# Altium PCB Luchador Pcb.PcbDoc (part 2 of 4) (continued)
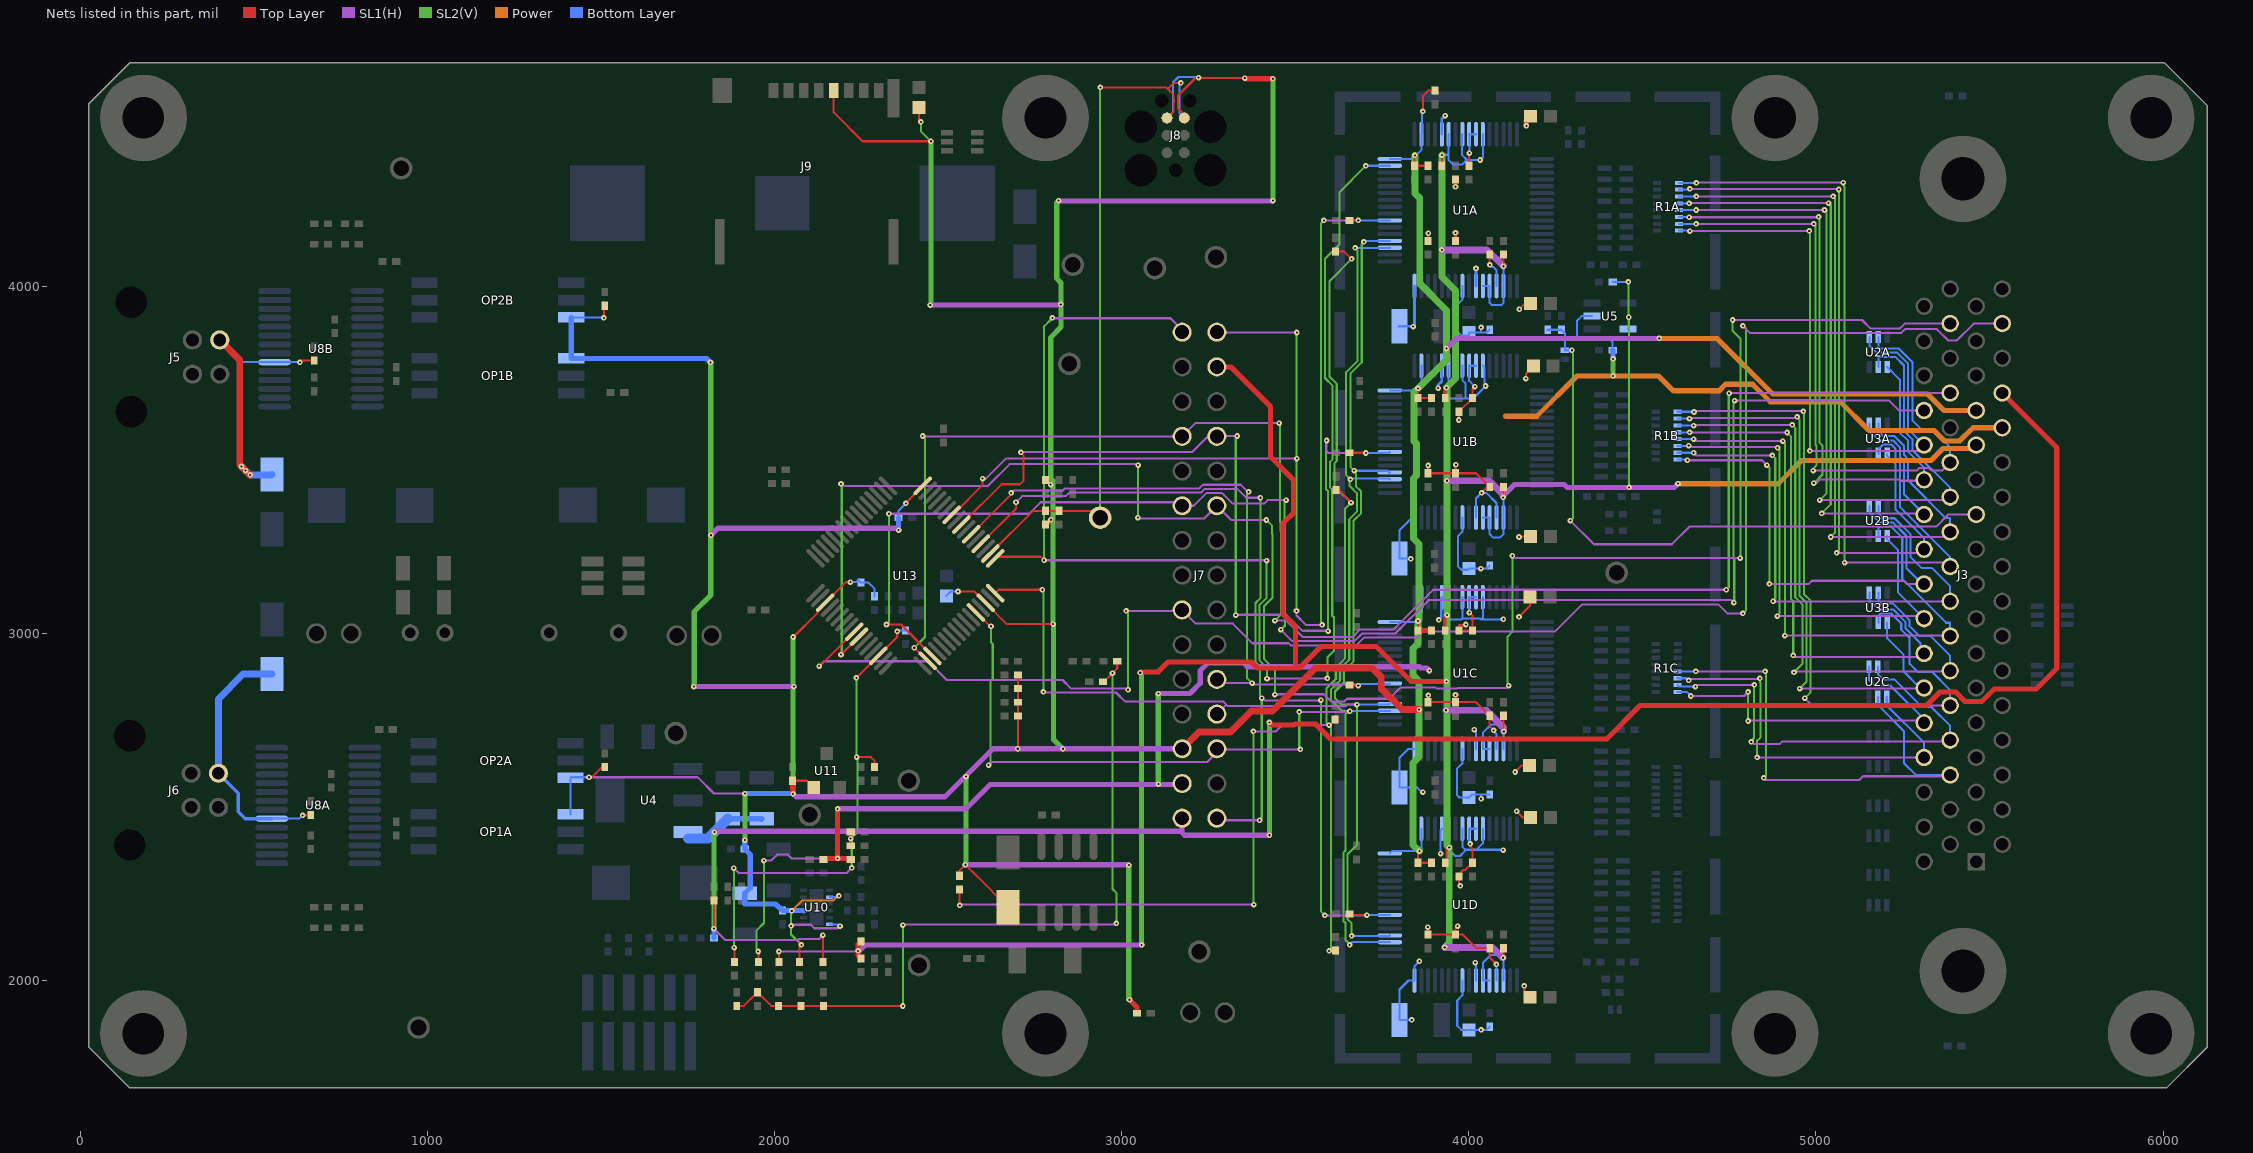
[diagram p6: the nets of this part, all layers, seen from the top]
#CS3: D1D.2 J7.29 U1D.39 U13.36 | length 3002.6
  Top Layer w6: U13.36@2594.51,3258.25 2696,3359.74 v1(2696,3378) ; D1D.2@3656.89,2191.97 3657.89,2192.97 3663.86,2187 3665.86,2189 v1(3707,2189)
  SL1(H) w6: v1(2696,3378) 2713.86,3395.86 2839.86,3395.86 2850,3406 3228.94,3406 3239.39,3416.45 3333.51,3416.45 3358.96,3391 v1(3400,3391) ; J7.29@3274.61,2467.95 3280.56,2462 v1(3398,2462) ; v1(3404,2814) 3411,2807 3573,2807 v1(3574,2808) ; v1(3586,2188) 3706,2188 v1(3707,2189)
  SL2(V) w6: v1(3398,2462) 3404,2468 v1(3404,2814) 3399,2819 3399,2904.02 3386,2917.02 3386,3087.91 3400,3101.91 v1(3400,3391) ; v1(3574,2808) 3574,2200 v1(3586,2188)
  Bottom Layer w6: v1(3707,2189) 3707.53,2189.53 U1D.39@3773.03,2189.53
#DRDY: J7.2 U1A.47 U13.33 | length 4028.9
  Top Layer w6: U13.33@2636.26,3216.49 2640.78,3221 2767,3221 v1(2777,3211)
  SL1(H) w6: v1(2777,3211) 3417,3211 v1(3418,3210) ; v1(2801,3909) 2802,3908 3141,3908 J7.2@3171,3878 ; v1(3419,2870) 3420,2871 v1(3593,2871)
  SL2(V) w6: v1(2777,3211) 2777,3885 v1(2801,3909) ; v1(3418,3210) 3418,3102.94 3398,3082.94 3398,2921.99 3419,2900.99 v1(3419,2870) ; v1(3593,2871) 3593,2930.91 3612,2949.91 3612,3046 3607,3051 3607,3414.03 3601,3420.03 3601,3495.01 3608,3502.01 3608,3714.03 3586,3736.03 3586,4079 3628,4121 3628,4271 v1(3704,4347)
  Bottom Layer w6: v1(3704,4347) 3704.48,4347.48 U1A.47@3773.03,4347.48
#JRESET: C101.1 J8.6 JRST.1 R102.2 U13.34 | length 2059.6
  Top Layer w6: U13.34@2622.34,3230.41 2745.32,3353.39 R102.2@2780.91,3353.39 C101.1@2820.28,3353.39 2918.7,3353.39 JRST.1@2938.39,3333.7 ; v1(2939,4573) 3128.63,4573 3133,4568.63 ; J8.6@3132.28,4485.67 3150.24,4503.63 3150.24,4529.64 3150.45,4529.84 3150.45,4540.16 3150.24,4540.36 3150.24,4551.38 3133,4568.63 ; v1(3171,4586) 3150.37,4586 3133,4568.63
  SL2(V) w6: JRST.1@2938.39,3333.7 v1@2938.39,4571.39
  Bottom Layer w6: v1(3171,4586) 3167.5,4582.5 3167.5,4498.5 J8.6@3181,4485
#PWDN: J7.25 U1A.35 U1B.35 U1C.35 U1D.35 U13.28 | length 4213.9
  Top Layer w6: U13.28@2580.59,3060.59 2582.41,3060.59 2622,3021 v1(2624,3021)
  SL1(H) w6: v1(2617,2621) 2626,2630 3247,2630 3274.61,2657.61 J7.25@3274.61,2667.95 3276.56,2666 v1(3515,2666) ; v1(3512,2774) v1@3658,2774
  SL2(V) w6: v1(2617,2621) 2622,2626 2622,2861 2629,2868 2629,2969.67 2624,2974.67 v1(2624,3021) ; v1(3512,2774) 3512,2669 v1(3515,2666) ; v1@3656.04,2776 v1(3658,2776) ; v1(3657.04,2103.15) 3657.04,2104.96 3645,2117 3645,2166.04 3639,2172.04 3639,2368.92 3645.04,2374.96 3645.04,2767 3654.04,2776 3635.99,2776 3603,2808.99 3603,2838.01 3629,2864.01 3629,2896.91 3656,2923.91 3656,3329 3678,3351 3678,3404 3657,3425 3657,3442 v1(3659,3444) 3647,3456 3647,3753 3680,3786 3680,4104 v1(3673,4111)
  Bottom Layer w6: v1(3657.04,2103.15) 3664.68,2110.79 U1D.35@3773.03,2110.79 ; v1@3658,2777 3772.42,2777 U1C.35@3773.03,2777.61 ; v1(3659,3444) 3661,3446 3771.47,3446 U1B.35@3773.03,3444.44 ; v1(3673,4111) 3772.77,4111 U1A.35@3773.03,4111.26
#RESET: J7.23 U1A.36 U1B.36 U1C.36 U1D.36 U13.32 | length 3911.3
  Top Layer w6: U13.32@2636.26,3116.27 2646,3126 v1(2772,3126)
  SL1(H) w6: v1(2775,2832) 2777,2830 2984.04,2830 3009.59,2804.45 3292.2,2804.45 3301.65,2795 ; J7.23@3274.61,2767.95 3301.65,2795 ; v1(3678,2795) 3649.97,2795 3645.97,2791 3305.65,2791 3301.65,2795
  SL2(V) w6: v1(2772,3126) 2775,3123 v1(2775,2832) ; v1(3663,2129) 3663,2165.01 3651,2177.01 3651,2363.95 3678,2390.95 v1(3678,2795) 3633.96,2795 3615,2813.96 3615,2833 3641,2859 3641,2891.94 3668,2918.94 3668,3324.03 3690,3346.03 3690,3408.97 3676,3422.97 3676,3463 v1(3670,3469) 3659,3480 3659,3748.03 3692,3781.03 3692,4122 v1(3698,4128)
  Bottom Layer w6: v1(3663,2129) 3770.5,2129 3772.5,2131 U1D.36@3773.03,2130.47 ; v1(3670,3469) 3670.1,3468.9 3766.01,3468.9 3771.91,3463 U1B.36@3773.03,3464.12 ; v1(3678,2795) 3770.73,2795 U1C.36@3773.03,2797.3 ; v1(3698,4128) 3700.95,4130.95 U1A.36@3773.03,4130.95
+2.5V: C5A.1 C5B.1 C5C.1 C5D.1 C6A.1 C6B.1 C6C.1 C6D.1 C47.2 J3.25 J7.3 R51.2 R53.2 R60.1 U1A.19 U1A.21 U1A.22 U1A.54 U1A.56 U1A.59 U1B.19 U1B.21 U1B.22 U1B.54 U1B.56 U1B.59 U1C.19 U1C.21 U1C.22 U1C.54 U1C.56 U1C.59 U1D.19 U1D.21 U1D.22 U1D.54 U1D.56 U1D.59 U5.5 | length 11662
  Top Layer w6: v1(2013,2084) 2013.19,2083.81 R60.1@2013.19,2054.17 ; C5A.1@3922.64,4347.48 3922.64,4377.64 v1(3923,4378) ; C5D.1@3932.48,2339.61 3936,2343.13 3936,2375 v1(3944,2383) ; C5C.1@3932.48,3008.9 3932.48,3047.48 v1(3938,3053) ; C5B.1@3932.48,3678.19 3932.48,3704.48 v1(3936,3708) ; v1(4099,2066) 4099.8,2066.8 C6D.1@4099.8,2093.54 ; v1(4099,3392) 4099.8,3392.8 C6B.1@4099.8,3422.28 ; C6C.1@4099.8,2762.83 4099.8,2719.2 v1(4101,2718) ; C6A.1@4099.8,4091.57 4099.8,4058.2 v1(4100,4058)
  Top Layer w15: R53.2@2249.41,2064.02 2241,2072.43 v1(2241,2086) 2241,2104.82 R51.2@2249.41,2113.23 ; v1(3054,2887) 3056.5,2889.5 3105.5,2889.5 3134,2918 3374.41,2918 3391.91,2900.5 3499,2900.5 ; J7.3@3274.61,3767.95 3315.05,3767.95 3429,3654 3429,3509 3495.5,3442.5 3495.5,3347.5 3465.5,3317.5 3465.5,3055.5 3501,3020 3501,2902.5 3499,2900.5 ; v1(3936,2862) 3834.41,2862 3733.91,2962.5 3574.5,2962.5 3512.5,2900.5 3499,2900.5
  SL1(H) w6: v1(2013,2084) 2239,2084 v1(2241,2086)
  SL1(H) w15: v1(2241,2086) 2245,2086 2262,2103 v1(3058,2103) ; v1(4099,3392) 4099,3396.41 4132.09,3429.5 4275.5,3429.5 4284,3421 v1(4462,3421) 4592,3421 v1(4603,3432)
  SL1(H) w20: v1(3923,4105) 4053,4105 v1(4100,4058) ; v1(3931,2096) 4069,2096 v1(4099,2066) ; v1(3935,2779) 4050,2779 4101,2728 v1(4101,2718) ; v1(3937,3440) 4059,3440 4099,3400 v1@4099,3396.41
  SL2(V) w6: v1(4460,4013) 4460,3912 v1(4461,3911) 4462,3910 v1(4462,3421)
  SL2(V) w15: v1(3054,2887) 3057.5,2883.5 3057.5,2103.5 v1(3058,2103)
  SL2(V) w20: v1(3923,4378) v1(3923,4105) 3923,4027 3962,3988 3962,3734.94 3936,3708.94 v1(3936,3708) 3938,3706 3938,3628.88 3937,3627.88 v1(3937,3440) 3937,3054 v1(3938,3053) 3938,2389 v1(3944,2383) 3944,2109 v1(3931,2096)
  Power w15: v1(4603,3432) 4603.5,3431.5 4891.5,3431.5 4958.5,3498.5 5331.5,3498.5 5366.26,3533.26 5452.51,3533.26 J3.25@5462.01,3542.76
  Bottom Layer w6: v1(3923,4378) 3924,4379 3942.32,4379 ; v1@3942.32,2385.68 U1D.54@3942.32,2437.56 ; U1C.54@3942.32,3104.38 3942.32,3046.68 3949,3040 3978,3040 3981,3043 ; U1B.54@3942.32,3771.21 3942.32,3714.32 v1(3936,3708) 3936,3683 3942,3677 3990,3677 ; U1A.54@3942.32,4438.03 3942.32,4379 ; v1@3949,2379 3949,2370.92 3960.96,2358.96 3975.04,2358.96 3989,2372.92 3989,2379 ; U1D.56@3981.69,2437.56 3981.69,2386.31 3989,2379 ; U1C.56@3981.69,3104.38 3981.69,3043.69 3981,3043 ; U1B.56@3981.69,3771.21 3981.69,3729.35 3991,3720.04 3991,3678 3990,3677 ; U1A.56@3981.69,4438.03 3981,4437.34 3981,4378 3995,4364 ; U1D.59@4040.75,2437.56 4040.75,2395.44 4022.31,2377 ; U1C.59@4040.75,3104.38 4040.75,3043.75 4037,3040 ; U1B.22@4040.75,3334.2 U1B.21@4060.43,3334.2 4060.43,3286.57 4071,3276 4090,3276 4099.8,3285.8 U1B.19@4099.8,3334.2 4099.8,3391.2 v1(4099,3392) ; U1B.59@4040.75,3771.21 4045.53,3766.43 4045.53,3716.47 v1(4049,3713) 4013,3677 3990,3677 ; U1A.22@4040.75,4001.02 U1A.21@4060.43,4001.02 4060.43,3952.57 4067,3946 4094,3946 4099.8,3951.8 U1A.19@4099.8,4001.02 4100,4001.22 v1(4100,4058) ; U1A.59@4040.75,4438.03 4040.75,4371.75 v1(4033,4364) 3995,4364 ; U1D.21@4060.43,2000.55 U1D.22@4040.75,2000.55 4040.75,2050.75 4064,2074 4093,2074 v1@4099.8,2067.2 ; U1C.21@4060.43,2667.38 U1C.22@4040.75,2667.38 4040.75,2713.79 4064.96,2738 4084,2738 v1@4099.8,2722.2 ; v1(4099,2376) 4098,2377 4022.31,2377 ; U1D.19@4099.8,2000.55 v1@4099.8,2066 ; U1C.19@4099.8,2667.38 v1@4099.8,2718 ; v1(4100,3041) 4099,3040 4037,3040 ; C47.2@4414.76,4012.83 4459.83,4012.83 v1(4460,4013) ; U5.5@4458.86,3877.01 4461,3879.15 v1(4461,3911) ; 3942.32,4379 3942.32,4363.68 3955,4351 3982,4351 3995,4364 ; 3981,3043 4034,3043 4037,3040 ; 3989,2379 3991,2377 4022.31,2377
+2.5VREF: C75.2 C100.1 R64.1 R65.2 R66.1 U13.14 | length 1497.2
  Top Layer w6: v1(1884,2095) 1885.24,2093.76 R66.1@1885.24,2054.17 ; R64.1@2219.88,2388.82 v1(2219.88,2409) C75.2@2219.88,2428.19 ; v1(2236,2872) 2236.1,2872 U13.14@2299.41,2935.32 2354,2989.9 v1(2354,3006) ; v1(2237,2644) 2278,2644 2288.78,2633.22 R65.2@2288.78,2615.2
  SL1(H) w6: v1(1883,2324) 1897,2310 2208,2310 v1(2223,2325)
  SL2(V) w6: v1(1883,2324) 1884,2323 v1(1884,2095) ; v1@2220.44,2408.44 2240,2428 2240,2641 v1(2237,2644) 2236,2645 v1(2236,2872) ; v1(2223,2325) v1@2223,2405
  Bottom Layer w6: v1(2354,3006) 2356.9,3008.9 C100.1@2377.36,3008.9
+3.3V: C13A.1 C13B.1 C13C.1 C13D.1 C14A.1 C14B.1 C14C.1 C14D.1 C57A.1 C57B.1 C69.1 C70.1 C76.1 C97.1 C98.1 C99.1 C102.1 D19.1 J3.27 J7.26 J8.5 J9.4 OP1A.1 OP1B.1 OP2A.6 OP2B.6 R14.2 R16.2 R29.1 R48.2 R49.2 R57.1 R97.2 R98.2 R99.2 R100.1 R101.1 R102.1 U1A.48 U1A.50 U1B.48 U1B.50 U1C.48 U1C.50 U1D.48 U1D.50 U10.3 U10.8 U10.12 U11.1 U13.3 U13.30 U13.48 | length 18641.8
  Top Layer w6: v1(1466,2586) 1474,2586 1503.2,2615.2 C57A.1@1511.22,2615.2 C57A.1@1510,2613.98 ; v1(1509,3909) 1509,3941.72 C57B.1@1511.22,3943.94 ; C76.1@2052.56,2575.83 2093.9,2575.83 U11.1@2113.58,2556.14 ; v1(2054,2990) 2055,2990 2124.43,3059.43 2124.43,3066.56 U13.3@2146.3,3088.43 2146.47,3088.43 2206.04,3148 v1(2219,3148) ; R57.1@2072.24,2054.17 2072.24,2097.24 v1(2078,2103) ; J9.4@2170.67,4564.02 2170.67,4501.33 2254,4418 v1(2451,4418) ; v1(2379,3375) 2379,3376.81 U13.48@2427.47,3425.28 ; C102.1@2416.73,4515.79 2416.73,4479.27 v1(2422,4474) ; v1(2529,3121) 2575.85,3121 U13.30@2608.42,3088.43 2669.85,3027 v1(2803,3027) ; R14.2@2533,2302.37 2533,2317 v1(2550,2334) 2583.76,2300.24 2584.06,2300.24 D19.1@2672.64,2211.65 ; v1(2701,2668) 2702.17,2669.17 R97.2@2702.17,2762.83 R98.2@2702.17,2802.2 R100.1@2702.17,2841.57 R101.1@2702.17,2880.94 ; R49.2@2781.87,3441 R49.2@2780.91,3441.97 2785.89,3441.97 2796,3431.86 v1(2796,3429) ; J8.5@3182.28,4485.67 3182.28,4493.72 3162.84,4513.16 3162.84,4549.9 3212.94,4600 v1(3355,4600) ; v1(3845,4377) 3843.9,4375.9 C14A.1@3843.9,4347.48 C13A.1@3883.27,4347.48 ; C14C.1@3853.74,3008.9 3853.74,3035.74 v1(3854,3036) ; v1(3854,3706) 3853.74,3705.74 C14B.1@3853.74,3678.19 C13B.1@3893.11,3678.19 ; v1(3858,2373) 3853.74,2368.74 C14D.1@3853.74,2339.61 C13D.1@3893.11,2339.61 ; v1(3868,4504) 3868,4548 3884.02,4564.02 R29.1@3902.95,4564.02
  Top Layer w15: C76.1@2052.56,2575.83 2052.56,2539.44 v1(2054,2538) ; R102.1@2780.91,3314.02 2782.87,3314.02 v1(2796.43,3327.57) ; v1(3023,1945) 3044.63,1923.37 R16.2@3044.63,1906 ; v1(3355,4600) 3357,4598 v1(3436,4598) ; C14C.1@3853.74,3008.9 C13C.1@3893.11,3008.9
  Top Layer w20: J7.26@3174.61,2667.95 3222.65,2716 3314,2716 3375,2777 3435,2777 3559,2901 3722,2901 3748.11,2874.89 3748.11,2841.89 3809,2781 v1(3857,2781)
  SL1(H) w6: v1(1466,2586) 1779,2586 1826,2539 v1(1915,2539) ; v1(2048,2158) 2052,2158 2055,2161 2104.96,2161 2114.96,2151 2183,2151 v1(2189,2157)
  SL1(H) w15: v1(1768,2847) v1(2056,2847) ; v1(1817,3283) 1837.5,3303.5 2352.5,3303.5 v1(2358,3298) ; v1(2054,2538) 2062.17,2529.83 2491.83,2529.83 2629.95,2667.95 v1(2831,2667.95) J7.26@3174.61,2667.95 ; v1(2449,3946) 2823,3946 v1(2825,3948) ; v1(2550,2334) 3020,2334 v1(3021,2333) ; v1(2819,4247) 2820.5,4245.5 3434.5,4245.5 v1(3436,4247) ; v1(3936,3821) 3965,3850 v1(4549,3850)
  SL2(V) w6: v1(2050,2201) 2052.5,2198.5 2048,2194 v1(2048,2158) 2048,2133 v1(2078,2103) ; v1(2422,4474) 2422,4447 v1(2451,4418)
  SL2(V) w15: v1(1768,2847) 1769,2848 1769,3063 1817,3111 v1(1817,3283) 1817,3780 v1(1816,3781) ; v1(1915,2405) v1(1915,2539) ; v1(2054,2538) v1(2054,2990) ; v1(2449,3946) 2448,3947 2451,3950 v1(2451,4418) ; v1@2552,2334 v1(2552,2588) ; 2796,3441 2796,3853 2826,3883 2826,4010 2813.65,4022.35 2813.65,4241.65 v1(2819,4247) ; v1(2803,3027) 2803,3441 ; v1@2803.8,3027 2803.8,2695.15 v1(2831,2667.95) ; v1(3021,2333) 3021,1947 v1(3023,1945) ; v1(3436,4247) v1(3436,4598)
  SL2(V) w20: v1(3845,4377) 3845,4268 3859,4254 3859,4008 3936,3931 v1(3936,3821) 3936,3788 v1(3854,3706) 3843,3695 3843,3553.89 3850,3546.89 3850,3455 3841,3446 3841,3273.89 3857,3257.89 3857,3039 v1(3854,3036) 3854,2971 3840,2957 3840,2880 3857,2863 v1(3857,2781) 3857,2644 3840,2627 3840,2391 v1(3858,2373)
  Power w6: v1(2050,2201) 2080,2231 2170,2231 2183,2244 v1(2186,2244)
  Power w15: v1(4549,3850) 4715.7,3850 4875.7,3690 5322,3690 5369.24,3642.76 J3.27@5462.01,3642.76
  Bottom Layer w6: OP1A.1@1412.4,2478.98 OP2A.6@1412.4,2584.09 1414.31,2586 v1(1466,2586) ; OP2B.6@1414.76,3910.47 1507.53,3910.47 v1(1509,3909) ; U10.12@2158.86,2162.13 2183.87,2162.13 v1(2189,2157) ; U10.8@2158.86,2240.87 2182.87,2240.87 v1(2186,2244) ; v1(2219,3148) 2236.1,3148 2242.1,3154 C98.1@2249.41,3146.69 2271.31,3146.69 2288.78,3129.22 R99.2@2288.78,3107.32 ; C99.1@2357.68,3333.7 2357.68,3353.68 v1(2379,3375) ; C97.1@2495.47,3108.31 2508.17,3121 v1(2529,3121) ; J8.5@3131,4485 3148,4502 3148,4587.04 3163.96,4603 3220,4603 v1(3222,4601) ; U1D.48@3773.03,2366.69 3779.34,2373 v1(3858,2373) 3863.58,2378.58 U1D.50@3863.58,2437.56 ; U1C.48@3773.03,3033.52 3851.52,3033.52 v1(3854,3036) 3854,3051 3863.58,3060.58 U1C.50@3863.58,3104.38 ; U1B.48@3773.03,3700.34 3848.34,3700.34 v1(3854,3706) 3863.58,3715.58 U1B.50@3863.58,3771.21 ; U1A.48@3773.03,4367.17 3835.17,4367.17 v1(3845,4377) 3848,4377 3863.58,4392.58 U1A.50@3863.58,4438.03 3865,4439.45 3865,4501 v1(3868,4504)
  Bottom Layer w15: OP2B.6@1414.76,3910.47 OP1B.1@1414.76,3792.36 1804.64,3792.36 v1(1816,3781) ; v1(1915,2405) 1914.76,2404.76 R48.2@1914.76,2378.98 1930.5,2363.24 1930.5,2267.76 C69.1@1914.76,2252.02 1914.76,2221.24 2003.61,2221.24 C70.1@2023.03,2201.81 2083.74,2201.81 U10.3@2084.05,2201.5 ; v1(1915,2539) 2053,2539 v1(2054,2538) ; C99.1@2357.68,3333.7 2357.68,3298.32 v1(2358,3298)
"+5V USBA": C55A.1 D11.1 J6.1 U8A.20 | length 753.6
  Top Layer w6: v1(641,2476) 642.4,2477.4 C55A.1@664.76,2477.4
  Bottom Layer w6: U8A.20@552.56,2466.57 631.57,2466.57 v1(641,2476)
  Bottom Layer w10: J6.1@398.62,2597.48 456,2540.1 456,2487 476.43,2466.57 U8A.20@552.56,2466.57
  Bottom Layer w20: J6.1@398.62,2597.48 398.62,2811.62 469.91,2882.91 D11.1@552.56,2882.91
"+5V USBB": C55B.1 D10.1 J5.1 U8B.20 | length 823.6
  Top Layer w6: v1(633,3781) 638.46,3786.46 C55B.1@674.61,3786.46
  Top Layer w20: J5.1@402.56,3845.51 460,3788.07 460,3487 v1(490,3457)
  Bottom Layer w6: J5.1@402.56,3845.51 406.49,3845.51 470.46,3781.54 U8B.20@560.43,3781.54 632.46,3781.54 v1(633,3781)
  Bottom Layer w20: v1(465,3481) v1(477,3469) 489,3457 v1(490,3457) 551.84,3457 D10.1@552.56,3457.72
+DCC: R2A.1 R2B.1 R2C.1 R2D.1 R14.1 | length 3861.9
  Top Layer w6: R14.1@2533,2263 2533,2218 v1(2534,2217) ; v1(3598,2086) 3598.63,2086.63 R2D.1@3616,2086.63 ; v1(3598,2736) 3599,2736 R2C.1@3615,2752 ; R2A.1@3616,4100.63 3640.37,4100.63 3662,4079 v1(3663,4079) ; R2B.1@3618,3413.63 3625.37,3413.63 3661,3378 v1(3661,3377)
  SL1(H) w6: v1@2534,2219 v1(3381,2219) ; v1(3380,2718) 3445,2718 3463,2736 v1(3598,2736)
  SL2(V) w6: v1(3380,2718) 3380,2220 v1(3381,2219) ; v1(3598,2086) 3603,2091 3603,2731 v1(3598,2736) 3591,2743 3591,2842.98 3617,2868.98 3617,2901.88 3644,2928.88 3644,3360 v1(3661,3377) 3613,3425 3613,3490.04 3620,3497.04 3620,3719 3599,3740 3599,4015 v1(3663,4079)
+VSYS: C62.1 C63.1 J3.28 J7.30 R45.2 R46.2 R54.1 U4.3 | length 6260.7
  Top Layer w6: v1(1826,2150) 1826.18,2150.18 R46.2@1826.18,2231.34 ; R54.1@2139.98,2054.17 v1(2140,2131)
  Top Layer w15: v1(3426,2744) 3433.5,2736.5 3496.91,2736.5 3499.91,2739.5 3558.8,2739.5 3601.8,2696.5 4397.5,2696.5 4493.5,2792.5 5318.5,2792.5 5357.26,2831.26 5402.96,2831.26 5429.96,2804.26 5477.96,2804.26 5513.7,2840 5635,2840 5694,2899 5694,3535.76 J3.28@5537.01,3692.76
  SL1(H) w6: v1(1826,2150) 1859,2117 2067.96,2117 2070.96,2120 2129,2120 v1(2140,2131)
  SL1(H) w15: v1(1827,2428) 1829.5,2430.5 3170.5,2430.5 3174.61,2426.39 ; J7.30@3174.61,2467.95 3174.61,2426.39 ; v1(3426,2419) 3182,2419 3174.61,2426.39
  SL2(V) w15: v1(1826,2150) 1826,2427 v1(1827,2428) ; v1(3426,2419) v1(3426,2744)
  Bottom Layer w15: v1(1826,2150) 1826.18,2149.82 R45.2@1826.18,2123.07 ; C63.1@1865.55,2466.56 1960.02,2466.56 1962,2464.58 C62.1@1963.98,2466.56
  Bottom Layer w30: 1752.2,2409.45 1808.44,2409.45 C63.1@1865.55,2466.56
-2.5V: C3A.2 C3B.2 C3C.2 C3D.2 C4A.2 C4B.2 C4C.2 C4D.2 C7A.1 C7B.1 C7C.1 C7D.1 C8A.1 C8B.1 C8C.1 C8D.1 C9A.2 C9B.2 C9C.2 C9D.2 C10A.2 C10B.2 C10C.2 C10D.2 C11A.2 C11B.2 C11C.2 C11D.2 C12A.2 C12B.2 C12C.2 C12D.2 C20A.1 C20B.1 C20C.1 C20D.1 C21A.1 C21B.1 C21C.1 C21D.1 C49.2 J3.26 J7.28 R61.2 R62.1 R63.2 U1A.20 U1A.23 U1A.25 U1A.32 U1A.53 U1A.57 U1A.58 U1B.20 U1B.23 U1B.25 U1B.32 U1B.53 U1B.57 U1B.58 U1C.20 U1C.23 U1C.25 U1C.32 U1C.53 U1C.57 U1C.58 U1D.20 U1D.23 U1D.25 U1D.32 U1D.53 U1D.57 U1D.58 U5.2 | length 9338.3
  Top Layer w6: v1(1953,2084) 1954.13,2082.87 R62.1@1954.13,2054.17 ; v1(3882,2154) 3883.27,2152.73 C12D.2@3883.27,2132.91 C10D.2@3962.01,2132.91 ; v1(3883,3484) 3883.27,3483.73 C12B.2@3883.27,3461.65 C10B.2@3962.01,3461.65 ; v1(3884,2822) 3883.27,2821.27 C12C.2@3883.27,2802.2 C10C.2@3962.01,2802.2 ; v1(3962,2823) C10C.2@3962.01,2802.2 ; v1(3963,3486) 3962.01,3485.01 C10B.2@3962.01,3461.65 ; v1(3968,2157) 3962.01,2151.01 C10D.2@3962.01,2132.91 ; v1(3972,3615) 3971.85,3615.15 C11B.2@3971.85,3638.82 C7B.1@4011.22,3678.19 4011.22,3704.22 v1(4018,3711) ; v1(3976,2273) 3971.85,2277.15 C11D.2@3971.85,2300.24 3971.85,2306.85 3983.8,2318.8 3990.41,2318.8 C7D.1@4011.22,2339.61 4011.22,2379.22 4004,2386.44 v1(4004,2394) ; v1(3992,3026) 3989.71,3023.71 3971.85,3023.71 C11C.2@3971.85,3008.9 C7C.1@4011.22,3008.9 4011.22,3050.78 v1(4002,3060) ; C7A.1@4001.38,4347.48 4001.38,4383.38 v1(4002,4384) ; v1(4037,3405) 4054.28,3422.28 C8B.1@4060.43,3422.28 4021.06,3461.65 C10B.2@3962.01,3461.65 ; C8A.1@4060.43,4091.57 4060.43,4062.57 v1(4061,4062) ; v1(4072,2721) 4060.43,2732.57 C8C.1@4060.43,2762.83 4021.06,2802.2 C10C.2@3962.01,2802.2 ; v1(4080,2047) 4060.43,2066.57 C8D.1@4060.43,2093.54 4022.46,2093.54 3983.09,2132.91 C10D.2@3962.01,2132.91 ; v1(4134,2601) 4153,2620 C21C.1@4175,2620 ; v1(4138,2488) 4156,2470 C20D.1@4177.91,2470 ; v1(4145,3048) 4176.46,3079.46 C20C.1@4176.46,3105 ; v1(4145,3278) 4147,3280 C21B.1@4177.91,3280 ; v1(4146,3934) 4162,3950 C21A.1@4177.91,3950 ; v1(4160,1985) 4160,1970 C21D.1@4170,1960 ; v1(4165,3734) 4165,3748.54 C20B.1@4186.46,3770
  Top Layer w8: C12A.2@3883.27,4130.94 3883.27,4152.27 v1(3884,4153) ; C10A.2@3962.01,4130.94 v1(3962,4154) ; v1(3962,4287) C11A.2@3962.01,4308.11
  Top Layer w15: R61.2@2141.14,2349.45 2143.69,2352 v1(2182,2352) v1(2182,2495) ; v1@2183,2352 2217.33,2352 R63.2@2219.88,2349.45 ; v1(4166,4462.09) 4166,4478.09 C20A.1@4177.91,4490
  SL1(H) w6: v1(1970,2346) 1990.96,2346 2007.96,2363 2038.99,2363 2049.99,2352 v1(2182,2352)
  SL1(H) w15: v1(2182,2495) 2551.97,2495 2621.97,2565 3171.65,2565 J7.28@3174.61,2567.95 ; v1(3106,2827) v1(3106,2827) 3196.95,2826.95 3227,2857 3227,2893 3250,2916 3350.58,2916 3362.08,2904.5 3858.09,2904.5 3862.09,2900.5 3879.5,2900.5 v1(3887,2893)
  SL2(V) w6: v1(1953,2084) 1949,2088 1949,2145 1970,2166 v1(1970,2346)
  SL2(V) w15: v1(3106,2566) v1(3106,2827) ; v1(4416,3742) v1(4416,3791)
  Power w15: 4106,3626 4196,3626 4312,3742 v1(4416,3742) 4547,3742 4590,3699 4721,3699 4740,3718 4818,3718 4868.5,3667.5 5070.5,3667.5 5153,3585 5340.32,3585 5371.06,3554.26 5414.26,3554.26 5452.76,3592.76 J3.26@5537.01,3592.76
  Bottom Layer w6: v1(3833,3215) 3832.41,3215.59 C9B.2@3800.59,3215.59 3800.59,3297.59 3837.2,3334.2 U1B.32@3843.9,3334.2 ; v1(3836,1887) 3835.85,1886.85 C9D.2@3800.59,1886.85 3800.59,1974.59 3826.55,2000.55 U1D.32@3843.9,2000.55 3843.9,2041.9 v1(3858,2056) ; U1C.32@3843.9,2667.38 3825.38,2667.38 3800.59,2642.59 C9C.2@3800.59,2556.14 3851.86,2556.14 3865,2543 v1(3868,2543) ; v1(3914,3039) 3921,3046 3921,3102.75 U1C.53@3922.64,3104.38 ; v1(3919,2366) 3919,2433.92 U1D.53@3922.64,2437.56 ; U1D.25@3981.69,2000.55 3981.69,1957.69 3967,1943 3967,1870 3978.69,1858.31 C3D.2@4001.38,1858.31 v1(4036,1858.31) 4051.57,1858.31 C4D.2@4060.43,1867.17 ; U1C.25@3981.69,2667.38 3981.69,2625.69 3966,2610 3966,2535 3973.4,2527.6 C3C.2@4001.38,2527.6 4010.24,2536.46 4036,2536.46 ; U1B.25@3981.69,3334.2 3981.69,3292.69 3969,3280 3969,3194 3979.33,3183.67 3998,3183.67 C3B.2@4001.38,3187.05 v1(4035,3187.05) 4051.57,3187.05 C4B.2@4060.43,3195.91 ; U1A.25@3981.69,4001.02 3981.69,3961.69 3968,3948 3968,3869 3978,3859 4001.38,3859 C3A.2@4001.38,3867.17 4035,3867.17 ; U1A.57@4001.38,4438.03 U1A.57@4002,4437.41 ; v1(4002,3060) 4001.38,3060.62 U1C.57@4001.38,3104.38 U1C.58@4021.06,3104.38 ; v1(4002,4384) U1A.57@4002,4437.41 ; v1(4004,2394) 4001.38,2396.62 U1D.57@4001.38,2437.56 U1D.58@4021.06,2437.56 ; v1(4016,2723) 4021.06,2717.94 U1C.23@4021.06,2667.38 ; v1(4018,3711) 4001.38,3727.62 U1B.57@4001.38,3771.21 U1B.58@4021.06,3771.21 ; v1(4019,2052) 4021.06,2049.94 U1D.23@4021.06,2000.55 ; U1B.23@4021.06,3334.2 4021.06,3389.06 v1(4037,3405) 4051,3405 4080.12,3375.88 U1B.20@4080.12,3334.2 ; U1A.58@4021.06,4438.03 4002.62,4438.03 U1A.57@4002,4437.41 ; v1(4036,2524) 4036,2536.46 ; v1(4036,3882) 4035,3881 4035,3867.17 ; C4C.2@4060.43,2536.46 4036,2536.46 ; C4A.2@4060.43,3875.04 4052.56,3867.17 4035,3867.17 ; v1(4061,4062) 4067,4056 4071,4056 4080.12,4046.88 U1A.20@4080.12,4001.02 ; v1(4072,2721) 4072,2718 4080.12,2709.88 U1C.20@4080.12,2667.38 ; v1(4080,2047) 4080.12,2046.88 U1D.20@4080.12,2000.55 ; U5.2@4355.71,3914.41 4325.41,3914.41 4312,3901 4312,3857 4322,3847 4407,3847 4414.76,3839.24 C49.2@4414.76,3815.98
  Bottom Layer w8: C9A.2@3800.59,3884.88 3839.12,3884.88 v1(3840,3884) 3843.9,3887.9 U1A.32@3843.9,4001.02 ; v1(3912,3707) 3912,3716 3922.64,3726.64 U1B.53@3922.64,3771.21 ; U1A.53@3922.64,4438.03 3922.64,4482.64 v1(3932,4492) ; v1(4021,4052) 4021.06,4051.94 U1A.23@4021.06,4001.02
  Bottom Layer w15: C49.2@4414.76,3815.98 4416,3814.75 v1(4416,3791)
-DCC: D12.2 D13.2 D14.2 D15.1 D16.2 D31.2 R13.1 | length 2164.8
  Top Layer w6: D16.2@1891.5,1927.3 1912.13,1927.3 D15.1@1951.5,1966.67 1990.87,1927.3 D14.2@2011.5,1927.3 D13.2@2076.5,1927.3 D12.2@2141.5,1927.3 2369.7,1927.3 v1(2370,1927) ; R13.1@2946.37,2861 2949,2861 v1(2974,2886) 2987.6,2899.6 D31.2@2987.6,2920.31
  SL1(H) w6: v1(2370,2160) 2371.71,2161.71 2981.71,2161.71 v1(2985,2165)
  SL2(V) w6: v1(2370,1927) v1(2370,2160) ; v1(2974,2886) 2974,2264 2985,2253 v1(2985,2165)
AUX0: J3.32 J7.18 U13.9 | length 4810.2
  Top Layer w6: v1(2129,2906) 2130.9,2906 U13.9@2229.82,3004.91
  SL1(H) w6: v1(2129,2906) 2143,2920 2443,2920 2497,2866 2830,2866 2854,2842 3015,2842 v1(3019,2838) ; v1(3013,3065) 3171.65,3065 J7.18@3174.61,3067.95 3214.11,3028.45 3320.55,3028.45 3377,2972 3481.03,2972 3487.14,2965.89 3675.83,2965.89 3697.94,2988 3850,2988 3868,3006 4249,3006 4327,3084 4719,3084 4745,3058 v1(4790,3058) ; v1(4790,3886) 4810,3866 5245.97,3866 5256.73,3876.76 5348.24,3876.76 5381,3844 5406,3844 5454.76,3892.76 J3.32@5537.01,3892.76
  SL2(V) w6: v1(3013,3065) 3019,3059 v1(3019,2838) ; v1(4790,3058) 4799,3067 4799,3877 v1(4790,3886)
AUX1: J3.66 J7.11 U13.10 | length 5624.5
  Top Layer w6: v1(2192,2939) 2192,2939.26 U13.10@2243.74,2990.99
  SL1(H) w6: v1(2192,3431) 2198,3425 2615,3425 2678,3488 3045,3488 v1(3048,3485) ; v1(3047,3334) 3049.55,3331.45 3238.11,3331.45 J7.11@3274.61,3367.95 3315.56,3327 v1(3417,3327) ; v1(3442,2824) 3443,2825 3583,2825 3604,2804 3642,2804 3650,2812 3771,2812 3803,2844 3905,2844 3908,2841 3966,2841 3968,2843 4108,2843 v1(4115,2850) ; v1(4126,3224) 4133,3217 v1(4782,3217) ; v1(4760,3903) 5133,3903 5158,3878 5241,3878 5255.76,3892.76 J3.66@5387.01,3892.76
  SL2(V) w6: v1(2192,2939) 2194,2941 2194,3429 v1(2192,3431) ; v1(3047,3334) 3048,3335 v1(3048,3485) ; v1(3417,3327) 3434,3310 3434,3286.05 3435,3285.05 3435,3102.97 3410,3077.97 3410,2926.96 3442,2894.96 v1(3442,2824) ; v1(4115,2850) 4112,2853 4112,2991 4126,3005 v1(4126,3224) ; v1(4760,3903) 4760,3872 4783,3849 4783,3218 v1(4782,3217)
AUX2: J3.61 J7.12 U13.19 | length 4578.3
  Top Layer w6: v1(2323,3026) 2364.63,3026 U13.19@2455.31,2935.32
  SL1(H) w6: v1(2330,3345) 2734,3345 2767,3378 3164.56,3378 J7.12@3174.61,3367.95 3207.86,3367.95 3244.36,3404.45 3289.72,3404.45 3320.18,3374 3411,3374 3421,3384 v1(3474,3384) ; v1(3459,3011) 3492.11,2977.89 3670.86,2977.89 3692.97,3000 3788.79,3000 3884.79,3096 4757,3096 v1(4764,3089) ; v1(4766,3671) 5211,3671 5239.24,3642.76 J3.61@5312.01,3642.76
  SL2(V) w6: v1(2323,3026) 2330,3033 v1(2330,3345) ; v1(3459,3011) 3471,3023 3471,3299.96 3470,3300.96 3470,3380 v1(3474,3384) ; v1(4764,3089) 4765,3090 4765,3215.79 4763,3217.79 4763,3668 v1(4766,3671)
AUX3: J3.62 J7.8 U13.18 | length 4883.2
  Top Layer w6: v1(2403,2959) 2440.6,2921.4 U13.18@2441.39,2921.4
  SL1(H) w6: v1(2427,3569) 2428.05,3567.95 J7.8@3174.61,3567.95 3212.65,3606 v1(3454,3606) ; v1(3442,3037) 3475.03,3037 3522.14,2989.89 3665.89,2989.89 3688,3012 3783.82,3012 3897.82,3126 v1(4742,3126) ; v1(4750,3692) J3.62@5387.01,3692.76
  SL2(V) w6: v1(2403,2959) 2434,2990 2434,3562 v1(2427,3569) ; v1(3442,3037) 3459,3054 3459,3294.99 3458,3295.99 3458,3319.94 3457,3320.94 3457,3603 v1(3454,3606) ; v1(4742,3126) 4749,3133 4749,3691 v1(4750,3692)
BIAS: C48.1 D20.1 J3.21 R28.2 | length 1850.6
  SL1(H) w6: v1(4293,3325) 4361,3257 4585,3257 4636,3308 5347,3308 5381.76,3342.76 J3.21@5462.01,3342.76
  SL2(V) w6: v1(4293,3325) 4300,3332 4300,3813 v1(4297,3816)
  Bottom Layer w6: C48.1@4227.76,3875.04 R28.2@4267.13,3875.04 4278,3864.17 D20.1@4278,3817.02 ; D20.1@4276.97,3815.98 D20.1@4278,3817.02 ; v1(4297,3816) 4279.02,3816 D20.1@4278,3817.02
CH1: J3.59 R1A.B1 U2A.1 | length 1758.4
  SL1(H) w6: v1(4637,4159) 4980,4159 v1(4981,4160) ; v1(4983,3526) 5295.25,3526 J3.59@5312.01,3542.76
  SL2(V) w6: v1(4981,4160) 4983,4158 v1(4983,3526)
  Bottom Layer w6: R1A.B1@4605.71,4160.47 4635.53,4160.47 v1(4637,4159) ; U2A.1@5154.33,3854.17 5154.33,3829.62 5174.95,3809 5233.97,3809 5266,3776.97 5266,3588.76 J3.59@5312.01,3542.76
CH2: J3.58 R1A.B2 U2A.2 | length 2015.1
  SL1(H) w6: v1(4655,4180) v1(4994,4180) ; v1(4992,3469) 5290.17,3469 5297.92,3476.76 5326.09,3476.76 5333.85,3469 5363.25,3469 J3.58@5387.01,3492.76
  SL2(V) w6: v1(4992,3469) 4992,3475 5002,3485 5002,3541.04 4999,3544.04 4999,4175 v1(4994,4180)
  Bottom Layer w6: R1A.B2@4605.71,4180.16 4654.84,4180.16 v1(4655,4180) ; U2A.2@5179.92,3854.17 5179.92,3826.08 5185,3821 5239,3821 5278,3782 5278,3614 5305,3587 5336,3587 5387.01,3535.99 J3.58@5387.01,3492.76
CH3: J3.57 R1A.B3 U2A.4 | length 1879.8
  SL1(H) w6: v1(4635,4199) 5007,4199 v1(5008,4200) ; v1(4994,3433) 5001,3433 5012,3444 5240.97,3444 5244.97,3440 5309.25,3440 J3.57@5312.01,3442.76
  SL2(V) w6: v1(4994,3433) 5019,3458 5019,3541.01 5011,3549.01 5011,4198 5009,4200 v1(5008,4200)
  Bottom Layer w6: R1A.B3@4605.71,4199.84 4634.16,4199.84 v1(4635,4199) ; U2A.4@5205.51,3767.56 5242,3731.07 5242,3578.82 5266.01,3554.81 5266.01,3523.7 5312.01,3477.7 J3.57@5312.01,3442.76
CH4: J3.56 R1A.B4 U2A.5 | length 2194.3
  SL1(H) w6: v1(4655,4220) v1(5025,4220) ; v1(5011,3384) 5377.76,3384 5386.76,3393 J3.56@5387.01,3392.76
  SL2(V) w6: v1(5011,3384) 5031,3404 5031,4214 v1(5025,4220)
  Bottom Layer w6: R1A.B4@4605.71,4219.53 4654.53,4219.53 v1(4655,4220) ; U2A.5@5179.92,3767.56 5179.92,3797 5229,3797 5254,3772 5254,3583.79 5278.01,3559.79 5278.01,3528.67 5387.01,3419.67 J3.56@5387.01,3392.76
CH5: J3.55 R1A.B5 U3A.1 | length 1991.3
  SL1(H) w6: v1(4635,4239) 4636,4240 v1(5037,4240) ; v1(5017,3346) 5296.76,3346 5302.76,3352 J3.55@5312.01,3342.76
  SL2(V) w6: v1(5017,3346) 5043,3372 5043,4234 v1(5037,4240)
  Bottom Layer w6: R1A.B5@4605.71,4239.21 4634.79,4239.21 v1(4635,4239) ; U3A.1@5154.33,3604.17 5154.33,3582.67 5180.72,3556.28 5222.08,3556.28 5242.01,3536.35 5242.01,3509.43 5254,3497.44 5254,3400.76 J3.55@5312.01,3342.76
CH6: J3.54 R1A.B6 U3A.2 | length 2206.1
  SL1(H) w6: v1(4656,4259) v1(5050,4259) ; v1(5043,3278) 5372.25,3278 J3.54@5387.01,3292.76
  SL2(V) w6: v1(5043,3278) 5055,3290 5055,4254 v1(5050,4259)
  Bottom Layer w6: R1A.B6@4605.71,4258.9 4655.9,4258.9 v1(4656,4259) ; U3A.2@5179.92,3604.17 5179.92,3583.08 5194,3569 5226.33,3569 5254.01,3541.32 5254.01,3514.4 5266,3502.41 5266,3440.68 5374.33,3332.35 5387.01,3332.35 J3.54@5387.01,3292.76
CH7: J3.53 R1A.B7 U3A.4 | length 2087.8
  SL1(H) w6: v1(4637,4281) 5064,4281 v1(5066,4279) ; v1(5060,3232) 5301.25,3232 J3.53@5312.01,3242.76
  SL2(V) w6: v1(5060,3232) 5067,3239 5067,4278 v1(5066,4279)
  Bottom Layer w6: R1A.B7@4605.71,4278.58 4634.58,4278.58 v1(4637,4281) ; U3A.4@5205.51,3517.56 5205.51,3511.98 5230,3487.5 5230,3356 5312.01,3273.99 J3.53@5312.01,3242.76
CH8: J3.52 R1A.B8 U3A.5 | length 2356.9
  SL1(H) w6: v1(4656,4298) 4657,4299 v1(5079,4299) ; v1(5083,3204) 5375.76,3204 J3.52@5387.01,3192.76
  SL2(V) w6: v1(5079,4299) 5079,4297 5081,4295 5081,4288.04 5083,4286.04 v1(5083,3204)
  Bottom Layer w6: R1A.B8@4605.71,4298.27 4655.73,4298.27 v1(4656,4298) ; U3A.5@5179.92,3517.56 5179.92,3530.29 5193.91,3544.28 5217.11,3544.28 5230.01,3531.38 5230.01,3504.46 5242,3492.47 5242,3364.68 5297.92,3308.76 5298.24,3308.76 5387.01,3219.99 J3.52@5387.01,3192.76
CH9: J3.51 R1B.B1 U2B.1 | length 1386
  SL1(H) w6: v1(4630,3499) 4845,3499 v1(4859,3485) ; v1(4866,3143) 4979.96,3143 4988.96,3152 5252.97,3152 5261.97,3143 5293.76,3143 5302.76,3152 J3.51@5312.01,3142.76
  SL2(V) w6: v1(4859,3485) 4866,3478 v1(4866,3143)
  Bottom Layer w6: R1B.B1@4601.77,3501.02 4627.98,3501.02 v1(4630,3499) ; U2B.1@5154.33,3367.56 5154.33,3348.67 5183,3320 5221.75,3320 5261,3280.75 5261,3188 5306.24,3142.76 J3.51@5312.01,3142.76
CH10: J3.50 R1B.B2 U2B.2 | length 1610.3
  SL1(H) w6: v1(4647.71,3520.71) 4655.42,3513 v1(4875,3513) ; v1(4877,3093) 4878,3092 5386.25,3092 J3.50@5387.01,3092.76
  SL2(V) w6: v1(4875,3513) 4883,3505 4883,3099 v1(4877,3093)
  Bottom Layer w6: R1B.B2@4601.77,3520.71 v1(4647.71,3520.71) ; U2B.2@5179.92,3367.56 5179.92,3346.08 5194,3332 5226.72,3332 5273,3285.72 5273,3220 5304,3189 5334,3189 5387.01,3135.99 J3.50@5387.01,3092.76
CH11: J3.49 R1B.B3 U2B.4 | length 1494.6
  SL1(H) w6: v1(4634,3541) 4637.29,3537.71 4887.29,3537.71 v1(4890,3535) ; v1(4889,3050) 4890,3051 5035.04,3051 5036.04,3050 5292.76,3050 5298.76,3056 J3.49@5312.01,3042.76
  SL2(V) w6: v1(4889,3050) 4895,3056 4895,3530 v1(4890,3535)
  Bottom Layer w6: R1B.B3@4601.77,3540.39 4633.39,3540.39 v1(4634,3541) ; U2B.4@5205.51,3280.94 5205.51,3271.49 5237,3240 5237,3117.76 J3.49@5312.01,3042.76
CH12: J3.48 R1B.B4 U2B.5 | length 1800.6
  SL1(H) w6: v1(4648,3560) 4654,3554 v1(4905,3554) ; v1(4911,2994) 5385.76,2994 J3.48@5387.01,2992.76
  SL2(V) w6: v1(4905,3554) 4911,3548 v1(4911,2994)
  Bottom Layer w6: R1B.B4@4601.77,3560.08 4647.92,3560.08 v1(4648,3560) ; U2B.5@5179.92,3280.94 5179.92,3307.66 5217.11,3307.66 5249,3275.78 5249,3157.68 5375.69,3030.99 5387.01,3030.99 J3.48@5387.01,2992.76
CH13: J3.47 R1B.B5 U3B.1 | length 1618.8
  SL1(H) w6: v1(4636.39,3579.5) 4916.5,3579.5 v1(4917,3579) ; v1(4935,2937) 4940,2932 5301.25,2932 J3.47@5312.01,2942.76
  SL2(V) w6: v1(4917,3579) 4928,3568 4928,3099.97 4935,3092.97 v1(4935,2937)
  Bottom Layer w6: R1B.B5@4601.77,3579.76 4602.04,3579.5 v1(4636.39,3579.5) ; U3B.1@5154.33,3117.56 5154.33,3096.67 5181.34,3069.66 5222.08,3069.66 5258,3033.75 5258,3016.03 5301.24,2972.79 5301.24,2942.76 J3.47@5312.01,2942.76
CH14: J3.46 R1B.B6 U3B.2 | length 1868.4
  SL1(H) w6: v1(4648,3599) 4650,3601 v1(4932,3601) ; v1(4937,2888) 4940,2891 5385.25,2891 J3.46@5387.01,2892.76
  SL2(V) w6: v1(4932,3601) 4940.76,3592.24 4940.76,3104.18 4961,3083.94 4961,2912 v1(4937,2888)
  Bottom Layer w6: R1B.B6@4601.77,3599.45 4647.55,3599.45 v1(4648,3599) ; U3B.2@5179.92,3117.56 5179.92,3093.08 5187,3086 5222.72,3086 5270,3038.72 5270,3021 5298,2993 5330,2993 5387.01,2935.99 J3.46@5387.01,2892.76
CH15: J3.45 R1B.B7 U3B.4 | length 1747.2
  SL1(H) w6: v1(4636,3619) 4638,3621 4943,3621 v1(4946,3624) ; v1(4953,2841) 5310.25,2841 J3.45@5312.01,2842.76
  SL2(V) w6: v1(4946,3624) 4952.76,3617.24 4952.76,3109.15 4973,3088.91 4973,2861 v1(4953,2841)
  Bottom Layer w6: R1B.B7@4601.77,3619.13 4635.87,3619.13 v1(4636,3619) ; U3B.4@5205.51,3030.94 5205.51,2986.49 5252,2940 5252,2892 5301.24,2842.76 J3.45@5312.01,2842.76
CH16: J3.44 R1B.B8 U3B.5 | length 2053
  SL1(H) w6: v1(4649,3638) 4652,3641 4963,3641 v1(4964,3640) ; v1(4968,2814) 4989.24,2792.76 J3.44@5387.01,2792.76
  SL2(V) w6: v1(4964,3640) 4966,3638 4966,3112.88 4985,3093.88 4985,2831 v1(4968,2814)
  Bottom Layer w6: R1B.B8@4601.77,3638.82 4648.18,3638.82 v1(4649,3638) ; U3B.5@5179.92,3030.94 5179.92,3050.92 5186.66,3057.66 5217.11,3057.66 5246,3028.78 5246,3011.06 5270,2987.06 5270,2913 5294,2889 5335,2889 5387.01,2836.99 J3.44@5387.01,2792.76
CH17: J3.43 R1C.B1 U2C.1 | length 1061.5
  SL1(H) w6: v1(4640,2820) 4793,2820 v1(4805,2832) ; v1(4805,2748) 4807,2750 5304.76,2750 J3.43@5312.01,2742.76
  SL2(V) w6: v1(4805,2748) v1(4805,2832)
  Bottom Layer w6: R1C.B1@4601.77,2831.73 4628.27,2831.73 v1(4640,2820) ; U2C.1@5153.15,2904.17 5153.15,2866.85 5170,2850 5215,2850 5312.01,2752.99 J3.43@5312.01,2742.76
CH18: J3.42 R1C.B2 U2C.2 | length 1307.9
  SL1(H) w6: v1(4653,2847) 4658,2852 v1@4822,2852 ; v1(4814,2688) 4820,2682 4896.04,2682 4902.8,2688.76 5380.25,2688.76 5380.25,2686 J3.42@5387.01,2692.76
  SL2(V) w6: v1(4814,2688) 4814,2690.97 4822,2698.97 4822,2851 v1(4823,2852)
  Bottom Layer w6: R1C.B2@4601.77,2851.42 4606.19,2847 v1(4653,2847) ; U2C.2@5178.74,2904.17 5178.74,2883.26 5195,2867 5227,2867 5306,2788 5333,2788 5387.01,2733.99 J3.42@5387.01,2692.76
CH19: J3.41 R1C.B3 U2C.4 | length 1177
  SL1(H) w6: v1(4634,2865) 4638,2869 4835,2869 v1@4837,2871 ; v1(4831,2643) 5301.76,2643 5306.76,2648 J3.41@5312.01,2642.76
  SL2(V) w6: v1(4831,2643) 4831,2691 4840,2700 4840,2859.04 4839,2860.04 v1(4839,2871)
  Bottom Layer w6: R1C.B3@4601.77,2871.1 4627.9,2871.1 v1(4634,2865) ; U2C.4@5204.33,2817.56 5204.33,2792.67 5312.01,2684.99 J3.41@5312.01,2642.76
CH20: J3.40 R1C.B4 U2C.5 | length 1473.7
  SL1(H) w6: v1(4654,2891) v1@4850,2891 ; v1(4850,2584) 4856,2578 5124.96,2578 5133.96,2587 5134.04,2587 5135.8,2588.76 5383.01,2588.76 J3.40@5387.01,2592.76
  SL2(V) w6: v1(4850,2584) 4856,2590 4856,2889 v1(4854,2891)
  Bottom Layer w6: R1C.B4@4601.77,2890.79 4653.79,2890.79 v1(4654,2891) ; U2C.5@5178.74,2817.56 5178.74,2794.26 5254,2719 5254,2626 5287.24,2592.76 J3.40@5387.01,2592.76